# Altium PCB PCB (aXe-TP430s in Konflikt stehende Kopie 2017-02-18).PcbDoc (part 2 of 2)
Units mil, origin at the board's own origin, x right, y up, seen from the top; angles counter-clockwise.
Board outline 4576.96 x 3710.82 mil, 4 copper layers (GTL, GL2, GL3, GBL), stack 60.753 mil thick; 165 components, 125 nets, 609 pads, 203 vias.
Unrouted connection lines stored in the file: 36.
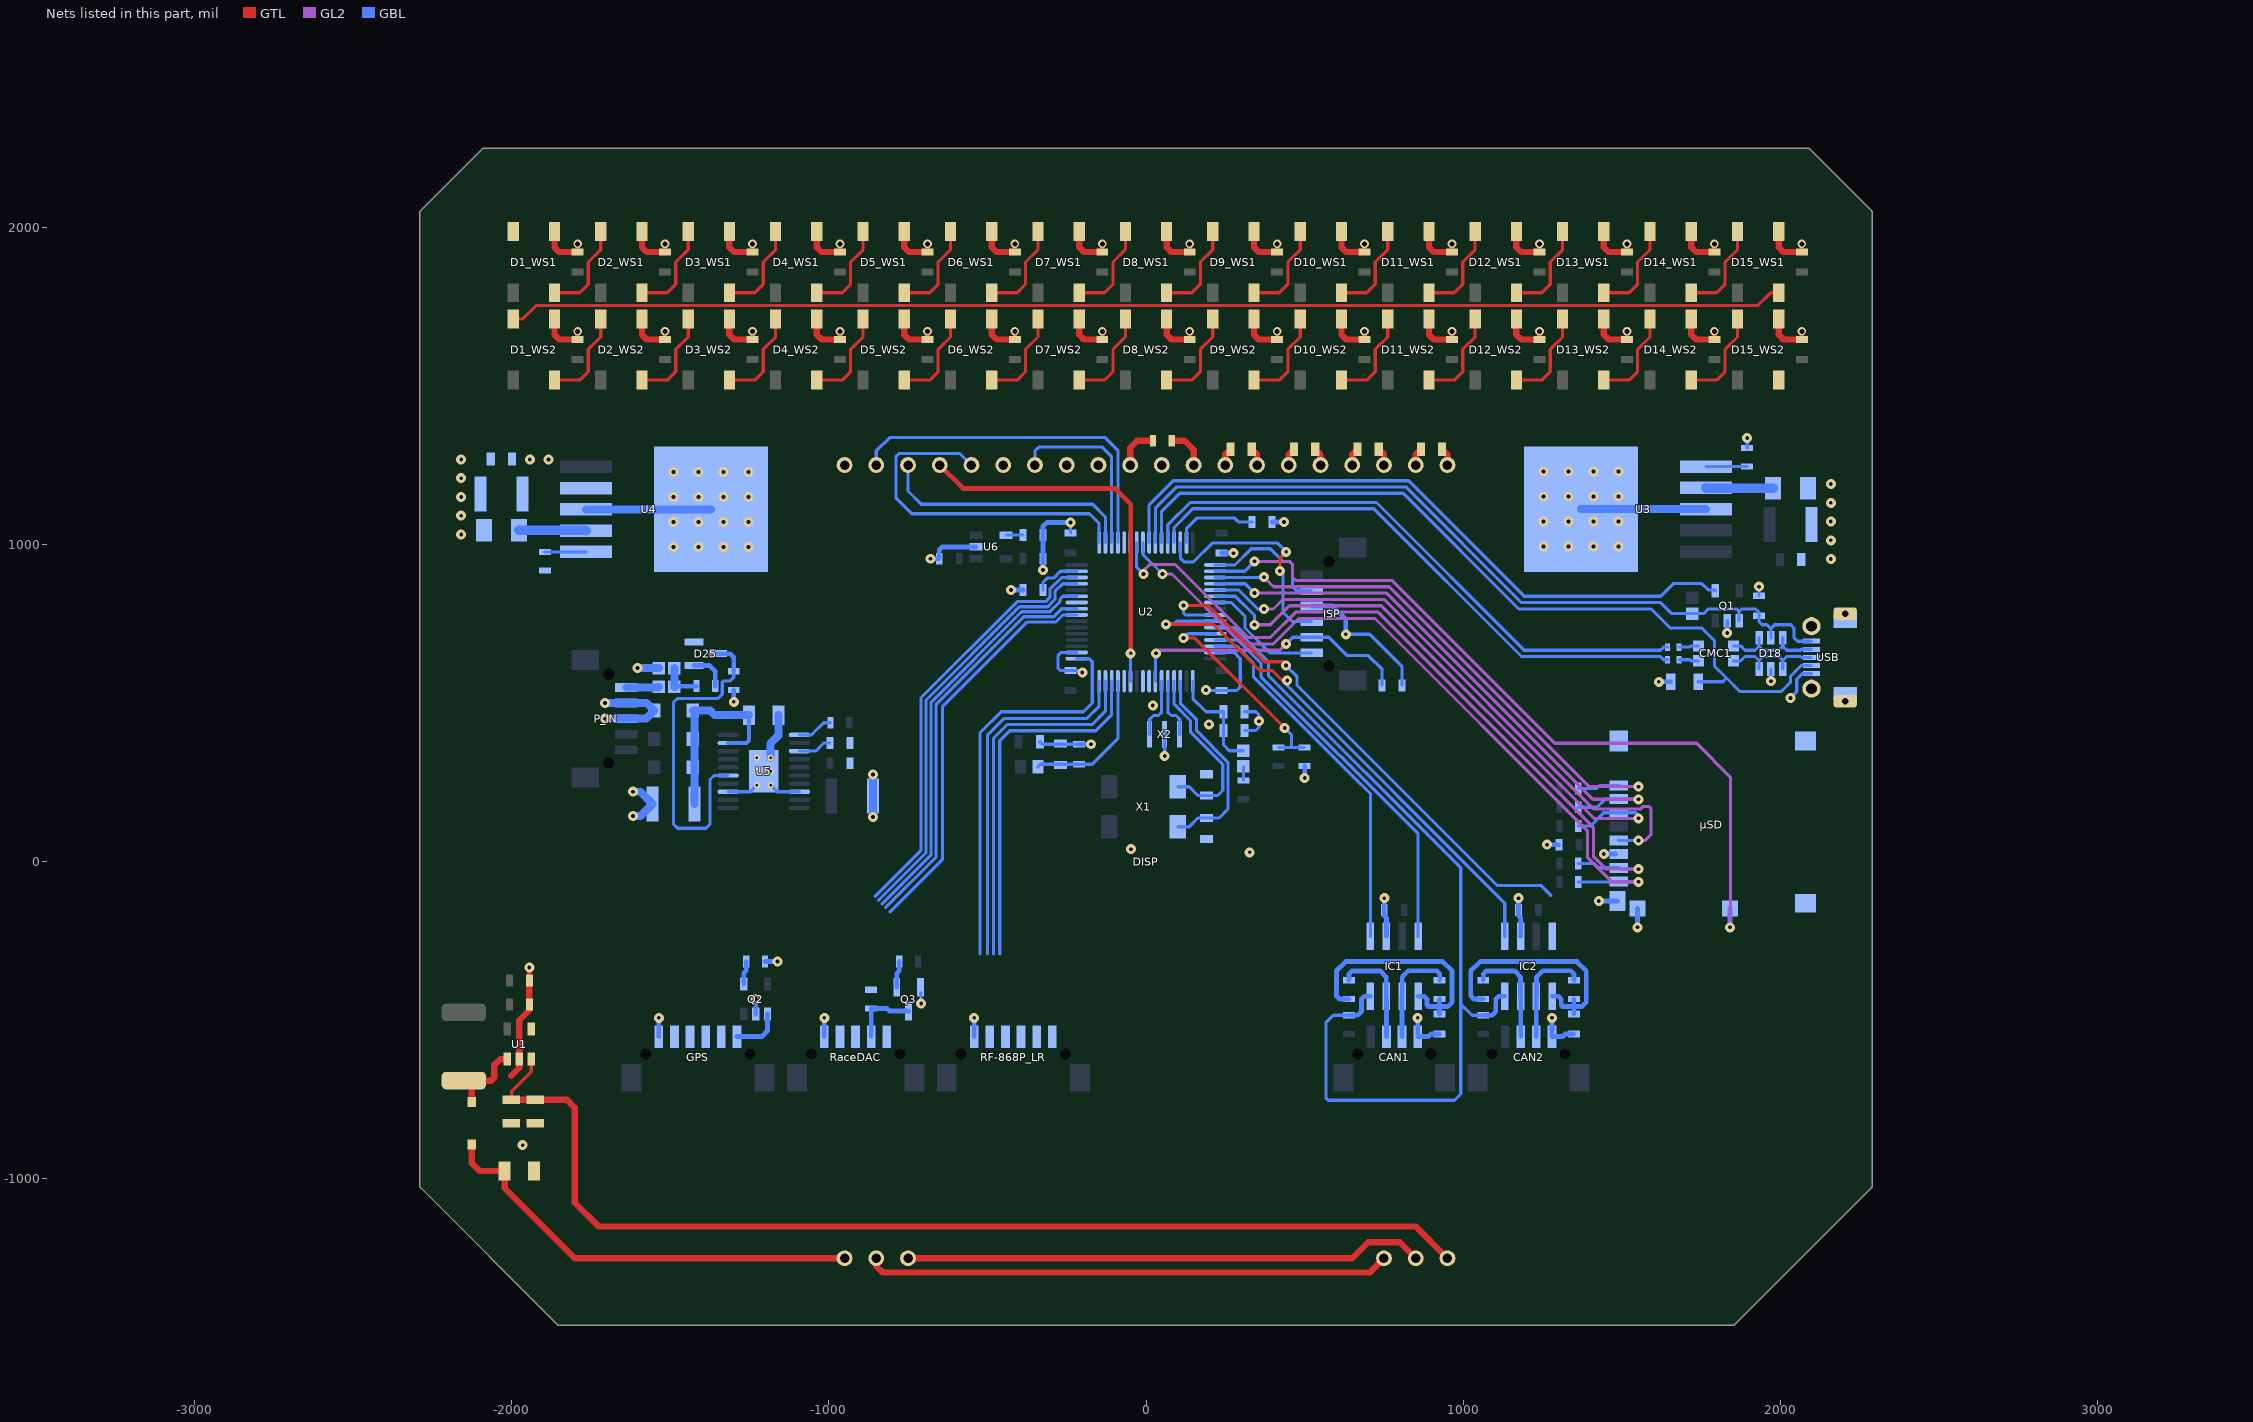
[diagram p4: the nets of this part, all layers, seen from the top]

## Via types
v1: diameter 31.5, hole 11.81, GTL to GBL, 137 vias
v2: diameter 27.56, hole 15.75, GTL to GBL, 60 vias
v3: diameter 19.68, hole 7.87, GTL to GBL, 6 vias

## Nets (pads, with @x,y where several pads share a name; then routed paths per layer and width w, separated by ;. In a path a pad name is that pad's centre, name@x,y a point inside that pad or via, vN(x,y) a via of type N, cw(c..) or ccw(c..) an arc to the next point about the centre after c; other vN are vias at no path point) (continued)
12V_PROT: C40.1 C41.1 C51.1 C52.2 D20.1 D21.1 D23.1 RaceDAC.1 U3.2 U4.2 U5.19 | length 1052.6
  GBL w13: U5.19@-1316.93,374.02 -1258.86,374.02 -1250.98,381.89 C52.2@-1250.98,461.61
  GBL w25: C51.1@-1423.23,182.09 -1423.23,471.46 D23.1@-1428.15,476.38 -1374.02,476.38 -1359.25,461.61 C52.2@-1250.98,461.61
  GBL w30: C41.1@-1976.38,1044.29 -1765.75,1044.29 U4.2@-1764.76,1043.31 ; U3.2@1764.76,1178.15 1765.75,1177.17 C40.1@1976.38,1177.17
CAN1_RX: IC1.4 U2.61 | length 1240.2
  GBL w10: U2.61@218.5,698.82 289.37,698.82 362.2,625.98 362.2,582.68 857.48,87.4 IC1.4@857.48,-235.24
CAN1_TX: IC1.1 U2.62 | length 1156.1
  GBL w10: U2.62@218.5,679.13 285.43,679.13 338.58,625.98 338.58,582.68 653.54,267.72 707.48,213.78 IC1.1@707.48,-235.24
CAN2_RX: IC2.4 U2.57 | length 1680.7
  GTL w10: v1(118.11,807.09) 196.85,807.09 374.02,629.92 433.07,629.92 440.94,622.05 v1(440.94,618.11)
  GBL w10: v1(118.11,807.09) 118.11,783.46 124.02,777.56 U2.57@218.5,777.56 ; v1(440.94,618.11) 476.38,582.68 476.38,555.12 1106.3,-74.8 1244.09,-74.8 1275.59,-106.3
CAN2_TX: IC2.1 U2.58 | length 1705
  GTL w10: v1(62.99,748.03) 212.6,748.03 358.27,602.36 397.64,602.36 429.13,570.87 v1(444.88,570.87)
  GBL w10: v1(62.99,748.03) 86.61,748.03 96.46,757.87 U2.58@218.5,757.87 ; v1(444.88,570.87) 444.88,555.12 1130.71,-130.71 IC2.1@1130.71,-235.24
CAN_E\N\: IC1.8 IC2.8 R21.1 R22.1 U2.59 | length 2897.8
  GBL w10: U2.59@218.5,738.19 277.56,738.19 385.83,629.92 385.83,586.61 992.13,-19.69 992.13,-448.82 ; R21.1@639.76,-484.25 590.55,-484.25 566.93,-507.87 566.93,-744.09 574.8,-751.97 972.44,-751.97 992.13,-732.28 992.13,-448.82 ; R22.1@1062.99,-484.25 1027.56,-484.25 992.13,-448.82
  GBL w15: R21.1@639.76,-484.25 667.32,-484.25 679.13,-472.44 679.13,-433.07 687.99,-424.21 IC1.8@707.48,-424.21 ; R22.1@1062.99,-484.25 1090.55,-484.25 1102.36,-472.44 1102.36,-433.07 1111.22,-424.21 IC2.8@1130.71,-424.21
DOG_VDD: DISP.30 DISP.35
DOG_VSS: DISP.31 DISP.32 DISP.33 DISP.40 R1.2 | length 136
  GTL w20: DISP.31@-50,1250 -50,1304.65 -28.15,1326.5 R1.2@22.32,1326.5
ENABLE_MAIN: D25.3 R27.2 U5.15 | length 1076.5
  GBL w10: U5.15@-1316.93,271.65 -1361.22,271.65 -1374.02,258.86 -1374.02,118.11 -1386.81,105.32 -1476.38,105.32 -1489.17,118.11 -1489.17,501.97 -1476.38,514.76 -1348.43,514.76 -1335.63,527.56 -1335.63,565.94 -1331.69,569.88 -1310.04,569.88 -1299.21,580.71 R27.2@-1299.21,600.39
  GBL w15: D25.3@-1349.41,655.51 -1310.04,655.51 -1299.21,644.68 R27.2@-1299.21,600.39
GND: C1_WS1.1 C1_WS2.1 C2_WS1.1 C2_WS2.1 C3_WS1.1 C3_WS2.1 C4_WS1.1 C4_WS2.1 C5_WS1.1 C5_WS2.1 C6_WS1.1 C6_WS2.1 C7_WS1.1 C7_WS2.1 C8_WS1.1 C8_WS2.1 C9_WS1.1 C9_WS2.1 C10_WS1.1 C10_WS2.1 C11_WS1.1 C11_WS2.1 C12_WS1.1 C12_WS2.1 C13_WS1.1 C13_WS2.1 C14_WS1.1 C14_WS2.1 C15_WS1.1 C15_WS2.1 C16.1 C17.2 C18.2 C23.1 C24.2 C25.2 C26.2 C27.2 C28.2 C29.2 C30.2 C31.2 C32.2 C33.2 C34.2 C35.2 C36.2 C37.1 C38.2 C40.2 C41.2 C42.2 C43.2 C44.2 C45.2 C46.1 C47.1 C48.2 C49.2 C51.2 C52.1 C53.1 C54.2 C55.1 C56.1 C57.2 C58.1 CAN1.1 CAN2.1 D1_WS1.3 D1_WS2.3 D2_WS1.3 D2_WS2.3 D3_WS1.3 D3_WS2.3 D4_WS1.3 D4_WS2.3 D5_WS1.3 D5_WS2.3 D6_WS1.3 D6_WS2.3 D7_WS1.3 D7_WS2.3 D8_WS1.3 D8_WS2.3 D9_WS1.3 D9_WS2.3 D10_WS1.3 D10_WS2.3 D11_WS1.3 D11_WS2.3 D12_WS1.3 D12_WS2.3 D13_WS1.3 D13_WS2.3 D14_WS1.3 D14_WS2.3 D15_WS1.3 D15_WS2.3 D18.2 D23.2 D24.1 GPS.6 IC1.2 IC2.2 ISP.3 P_IN.3 P_IN.4 Q1.2 Q2.2 Q3.2 R2.1 R3.1 R4.1 R7.2 R15.1 R16.1 R23.2 R27.1 RaceDAC.5 RF-868P_LR.6 U1.2 U2.12 U2.18 U2.63 U3.3 U3.6 U4.3 U4.6 U5.8 U5.13 U5.21 U6.2 USB.5 USB.6 X2.2 µSD.6 µSD.9 µSD.11 | length 10039.6
  GTL w15: C18.2@-1943.5,-375 v1(-1943.5,-333.27) ; C1_WS2.1@-1791.34,1645.67 v2(-1791.34,1671.57) ; C1_WS1.1@-1791.34,1921.26 v2(-1791.34,1947.17) ; C2_WS2.1@-1515.75,1645.67 v2(-1515.75,1671.57) ; C2_WS1.1@-1515.75,1921.26 v2(-1515.75,1947.17) ; C3_WS2.1@-1240.16,1645.67 v2(-1240.16,1671.57) ; C3_WS1.1@-1240.16,1921.26 v2(-1240.16,1947.17) ; C4_WS2.1@-964.57,1645.67 v2(-964.57,1671.57) ; C4_WS1.1@-964.57,1921.26 v2(-964.57,1947.17) ; C5_WS2.1@-688.98,1645.67 v2(-688.98,1671.57) ; C5_WS1.1@-688.98,1921.26 v2(-688.98,1947.17) ; C6_WS2.1@-413.39,1645.67 v2(-413.39,1671.57) ; C6_WS1.1@-413.39,1921.26 v2(-413.39,1947.17) ; C7_WS2.1@-137.8,1645.67 v2(-137.8,1671.57) ; C7_WS1.1@-137.8,1921.26 v2(-137.8,1947.17) ; C8_WS2.1@137.8,1645.67 v2(137.8,1671.57) ; C8_WS1.1@137.8,1921.26 v2(137.8,1947.17) ; C9_WS2.1@413.39,1645.67 v2(413.39,1671.57) ; C9_WS1.1@413.39,1921.26 v2(413.39,1947.17) ; C10_WS2.1@688.98,1645.67 v2(688.98,1671.57) ; C10_WS1.1@688.98,1921.26 v2(688.98,1947.17) ; C11_WS2.1@964.57,1645.67 v2(964.57,1671.57) ; C11_WS1.1@964.57,1921.26 v2(964.57,1947.17) ; C12_WS2.1@1240.16,1645.67 v2(1240.16,1671.57) ; C12_WS1.1@1240.16,1921.26 v2(1240.16,1947.17) ; C13_WS2.1@1515.75,1645.67 v2(1515.75,1671.57) ; C13_WS1.1@1515.75,1921.26 v2(1515.75,1947.17) ; C14_WS2.1@1791.34,1645.67 v2(1791.34,1671.57) ; C14_WS1.1@1791.34,1921.26 v2(1791.34,1947.17) ; C15_WS2.1@2066.93,1645.67 v2(2066.93,1671.57) ; C15_WS1.1@2066.93,1921.26 v2(2066.93,1947.17)
  GTL w20: -2000,-675 -1975,-650 U1.2@-1975,-622.24 -1975,-500 -1943.5,-468.5 C17.2@-1943.5,-450 C18.2@-1943.5,-375 ; D1_WS2.3@-1864.17,1710.63 -1864.17,1660.94 -1848.9,1645.67 C1_WS2.1@-1791.34,1645.67 ; D1_WS1.3@-1864.17,1986.22 -1864.17,1936.54 -1848.9,1921.26 C1_WS1.1@-1791.34,1921.26 ; D2_WS2.3@-1588.58,1710.63 -1588.58,1660.94 -1573.31,1645.67 C2_WS2.1@-1515.75,1645.67 ; D2_WS1.3@-1588.58,1986.22 -1588.58,1936.54 -1573.31,1921.26 C2_WS1.1@-1515.75,1921.26 ; D3_WS2.3@-1312.99,1710.63 -1312.99,1660.94 -1297.72,1645.67 C3_WS2.1@-1240.16,1645.67 ; D3_WS1.3@-1312.99,1986.22 -1312.99,1936.54 -1297.72,1921.26 C3_WS1.1@-1240.16,1921.26 ; D4_WS2.3@-1037.4,1710.63 -1037.4,1660.94 -1022.13,1645.67 C4_WS2.1@-964.57,1645.67 ; D4_WS1.3@-1037.4,1986.22 -1037.4,1936.54 -1022.13,1921.26 C4_WS1.1@-964.57,1921.26 ; D5_WS2.3@-761.81,1710.63 -761.81,1660.94 -746.54,1645.67 C5_WS2.1@-688.98,1645.67 ; D5_WS1.3@-761.81,1986.22 -761.81,1936.54 -746.54,1921.26 C5_WS1.1@-688.98,1921.26 ; D6_WS2.3@-486.22,1710.63 -486.22,1660.94 -470.94,1645.67 C6_WS2.1@-413.39,1645.67 ; D6_WS1.3@-486.22,1986.22 -486.22,1936.54 -470.94,1921.26 C6_WS1.1@-413.39,1921.26 ; D7_WS2.3@-210.63,1710.63 -210.63,1660.94 -195.35,1645.67 C7_WS2.1@-137.8,1645.67 ; D7_WS1.3@-210.63,1986.22 -210.63,1936.54 -195.35,1921.26 C7_WS1.1@-137.8,1921.26 ; D8_WS2.3@64.96,1710.63 64.96,1660.94 80.24,1645.67 C8_WS2.1@137.8,1645.67 ; D8_WS1.3@64.96,1986.22 64.96,1936.54 80.24,1921.26 C8_WS1.1@137.8,1921.26 ; D9_WS2.3@340.55,1710.63 340.55,1660.94 355.83,1645.67 C9_WS2.1@413.39,1645.67 ; D9_WS1.3@340.55,1986.22 340.55,1936.54 355.83,1921.26 C9_WS1.1@413.39,1921.26 ; D10_WS2.3@616.14,1710.63 616.14,1660.94 631.42,1645.67 C10_WS2.1@688.98,1645.67 ; D10_WS1.3@616.14,1986.22 616.14,1936.54 631.42,1921.26 C10_WS1.1@688.98,1921.26 ; D11_WS2.3@891.73,1710.63 891.73,1660.94 907.01,1645.67 C11_WS2.1@964.57,1645.67 ; D11_WS1.3@891.73,1986.22 891.73,1936.54 907.01,1921.26 C11_WS1.1@964.57,1921.26 ; D12_WS2.3@1167.32,1710.63 1167.32,1660.94 1182.6,1645.67 C12_WS2.1@1240.16,1645.67 ; D12_WS1.3@1167.32,1986.22 1167.32,1936.54 1182.6,1921.26 C12_WS1.1@1240.16,1921.26 ; D13_WS2.3@1442.91,1710.63 1442.91,1660.94 1458.19,1645.67 C13_WS2.1@1515.75,1645.67 ; D13_WS1.3@1442.91,1986.22 1442.91,1936.54 1458.19,1921.26 C13_WS1.1@1515.75,1921.26 ; D14_WS2.3@1718.5,1710.63 1718.5,1660.94 1733.78,1645.67 C14_WS2.1@1791.34,1645.67 ; D14_WS1.3@1718.5,1986.22 1718.5,1936.54 1733.78,1921.26 C14_WS1.1@1791.34,1921.26 ; D15_WS2.3@1994.09,1710.63 1994.09,1660.94 2009.37,1645.67 C15_WS2.1@2066.93,1645.67 ; D15_WS1.3@1994.09,1986.22 1994.09,1936.54 2009.37,1921.26 C15_WS1.1@2066.93,1921.26
  GBL w10: U5.13@-1316.93,220.47 -1247.05,220.47 v3(-1226.38,241.14) ; v3(-1183.07,241.14) -1162.4,220.47 U5.8@-1092.52,220.47 ; v1(-708.66,-446.85) Q3.2@-708.66,-413.39 ; C28.2@-334.65,377.95 -326.77,370.08 C31.2@-210.63,370.08 ; C35.2@-238.19,1035.43 v1(-238.19,1068.9) ; U2.18@-218.5,659.45 -267.72,659.45 -277.56,649.61 -277.56,610.24 -269.68,602.36 C33.2@-238.19,602.36 -206.69,602.36 v1(-200.79,596.46) ; v1(59.06,332.68) X2.2@59.06,401.57 ; v1(188.98,541.34) 190.94,539.37 C34.2@238.19,539.37 285.43,539.37 297.24,551.18 297.24,639.76 277.56,659.45 U2.63@218.5,659.45 ; C30.2@311.02,413.39 346.46,413.39 356.3,423.23 v1(356.3,442.91) 356.3,462.6 346.46,472.44 C32.2@311.02,472.44 ; v1(629.92,716.54) 704.72,716.54 807.09,614.17 C27.2@807.09,555.12 ; v1(1831.85,720.83) Q1.2@1831.85,759.25 ; R15.1@1894.68,1304.13 v1(1894.68,1335.63) ; C37.1@1931.85,837.99 v1(1931.85,866.5) ; v1(1969.49,568.86) D18.2@1969.49,607.28 ; v1(2031.5,516.14) 2051.18,535.83 2051.18,575.2 2068.5,592.52 USB.5@2097.44,592.52
  GBL w15: GPS.6@-1535.43,-551.18 v1(-1535.43,-492.13) ; v1(-1299.21,503.94) R27.1@-1299.21,541.34 ; Q2.2@-1230.31,-480.32 v1(-1230.31,-433.07) ; R23.2@-1200.79,-314.96 v1(-1161.42,-314.96) ; RaceDAC.5@-1013.78,-551.18 v1(-1013.78,-492.13) ; v1(-679.13,954.72) C58.1@-651.57,954.72 -651.57,982.28 -641.73,992.13 U6.2@-535.43,992.13 ; RF-868P_LR.6@-541.34,-551.18 v1(-541.34,-492.13) ; v1(-425.2,856.3) C26.2@-387.8,856.3 ; v1(-324.8,919.29) C56.1@-324.8,954.72 C57.2@-324.8,1029.53 -324.8,1057.09 -312.99,1068.9 v1(-238.19,1068.9) ; C31.2@-210.63,370.08 v1(-173.23,370.08) ; C36.2@238.19,972.44 v1(275.59,972.44) ; C25.2@397.64,1070.87 v1(435.04,1070.87) ; v1(500,263.78) R4.1@500,301.18 ; ISP.3@521.85,805.71 587.99,805.71 629.92,763.78 v1(629.92,716.54) ; v1(750.98,-115.16) C46.1@750.98,-152.56 750.98,-170.28 757.87,-177.17 757.87,-234.84 IC1.2@757.48,-235.24 ; v1(856.3,-492.13) CAN1.1@856.3,-551.18 889.76,-551.18 897.64,-543.31 C48.2@925.2,-543.31 ; v1(1174.21,-115.16) 1174.21,-170.28 1181.1,-177.17 1181.1,-234.84 IC2.2@1180.71,-235.24 ; v1(1263.78,53.54) C38.2@1301.18,53.54 ; v1(1279.53,-492.13) CAN2.1@1279.53,-551.18 1312.99,-551.18 1320.87,-543.31 C49.2@1348.43,-543.31 ; v1(1427.17,-123.62) µSD.11@1486.22,-123.62 ; v1(1442.91,24.02) µSD.6@1480.32,24.02 ; v1(1549.21,-206.69) µSD.9@1549.21,-147.64 ; v1(1616.14,566.93) R7.2@1653.54,566.93
  GBL w25: U4.3@-1764.76,1110.24 U4.6@-1371.06,1110.24 ; v1(-1704.72,450.79) P_IN.3@-1637.8,450.79 -1575.79,450.79 D23.2@-1550.2,476.38 -1573.82,500 P_IN.4@-1637.8,500 v1(-1704.72,500) ; v1(-1617.13,143.7) -1593.5,143.7 C51.2@-1555.12,182.09 -1593.5,220.47 v1(-1617.13,220.47) ; v1(-1602.36,610.24) D24.1@-1535.43,610.24 ; v3(-1183.07,327.76) -1183.07,373.03 -1158.46,397.64 C52.1@-1158.46,461.61 ; v1(-860.24,140.75) C54.2@-860.24,207.68 v1(-860.24,274.61) ; U3.6@1371.06,1111.22 U3.3@1764.76,1111.22
  other v1: -1964.57,-893.7 326.77,29.53 -47.24,39.37 198.82,433.07 21.65,492.13 2158.46,953.74 -1489.17,992.13 -1410.43,992.13 -1331.69,992.13 -1252.95,992.13 1252.95,993.11 1331.69,993.11 1410.43,993.11 1489.17,993.11 2158.46,1012.8 -2158.46,1031.5 -1489.17,1070.87 -1410.43,1070.87 -1331.69,1070.87 -1252.95,1070.87 1252.95,1071.85 1331.69,1071.85 1410.43,1071.85 1489.17,1071.85 2158.46,1071.85 -2158.46,1090.55 2158.46,1130.91 -2158.46,1149.61 -1489.17,1149.61 -1410.43,1149.61 -1331.69,1149.61 -1252.95,1149.61 1252.95,1150.59 1331.69,1150.59 1410.43,1150.59 1489.17,1150.59 2158.46,1189.96 -2158.46,1208.66 -1489.17,1228.35 -1410.43,1228.35 -1331.69,1228.35 -1252.95,1228.35 1252.95,1229.33 1331.69,1229.33 1410.43,1229.33 1489.17,1229.33 -2158.46,1267.72
  other v3: -1226.38,284.45 -1183.07,284.45 -1226.38,327.76
GPS_CANRX: GPS.5
GPS_CANTX: GPS.4
GPS_RX: GPS.3 U2.37
GPS_TX: GPS.2 U2.38
GPS_VCC: GPS.1 Q2.1 | length 156.9
  GBL w15: GPS.1@-1289.37,-551.18 -1210.63,-551.18 -1192.91,-533.46 Q2.1@-1192.91,-480.32
KL15: D22.1 P_IN.5 | length 103.2
  GBL w25: P_IN.5@-1637.8,549.21 -1537.4,549.21 D22.1@-1535.43,551.18
KL15_PROT: D25.1 R24.1 R26.2 | length 121.5
  GBL w15: D25.1@-1424.21,618.11 -1375,618.11 -1357.28,600.39 R26.2@-1357.28,553.15
NetC16_2: C16.2 D16.1 DISP.1 | length 1388.8
  GTL w20: D16.1@-2125,-891.93 -2125,-950 -2100,-975 C16.2@-2021.26,-975 -2021.26,-1028.74 -1800,-1250 DISP.1@-950,-1250
NetC19_1: C19.1 DISP.22 | length 56.8
  GTL w20: DISP.22@850,1250 850,1283.46 C19.1@866.54,1300
NetC19_2: C19.2 DISP.21 | length 56.8
  GTL w20: C19.2@933.46,1300 950,1283.46 DISP.21@950,1250
NetC20_1: C20.1 DISP.24 | length 56.8
  GTL w20: DISP.24@650,1250 650,1283.46 C20.1@666.54,1300
NetC20_2: C20.2 DISP.23 | length 56.8
  GTL w20: C20.2@733.46,1300 750,1283.46 DISP.23@750,1250
NetC21_1: C21.1 DISP.26 | length 56.8
  GTL w20: DISP.26@450,1250 450,1283.46 C21.1@466.54,1300
NetC21_2: C21.2 DISP.25 | length 56.8
  GTL w20: C21.2@533.46,1300 550,1283.46 DISP.25@550,1250
NetC22_1: C22.1 DISP.28 | length 56.8
  GTL w20: DISP.28@250,1250 250,1283.46 C22.1@266.54,1300
NetC22_2: C22.2 DISP.27 | length 56.8
  GTL w20: C22.2@333.46,1300 350,1283.46 DISP.27@350,1250
NetC23_2: C23.2 U2.3 X1.1 | length 646
  GBL w10: X1.1@100.39,110.24 135.83,110.24 163.39,137.8 C23.2@190.95,137.8 230.32,137.8 258.13,165.61 258.13,313.71 159.45,412.39 159.45,447.82 108.27,499.01 U2.3@108.27,568.9
NetC24_1: C24.1 U2.4 X1.4 | length 567.8
  GBL w10: U2.4@88.58,568.9 88.58,496.06 139.76,444.88 139.76,409.45 242.13,307.09 242.13,224.41 226.38,208.66 C24.1@190.95,208.66 163.39,208.66 135.83,236.22 X1.4@100.39,236.22
NetC25_1: C25.1 U2.47 | length 269.9
  GBL w10: U2.47@127.95,1005.91 127.95,1051.18 159.45,1082.68 279.53,1082.68 291.34,1070.87 C25.1@334.65,1070.87
NetC26_1: C26.1 U2.31 | length 144.6
  GBL w10: C26.1@-324.8,856.3 -324.8,879.92 -311.02,893.7 -291.34,893.7 -269.68,915.35 U2.31@-218.5,915.35
NetC29_1: C29.1 C31.1 L2.2 U2.13 | length 469.8
  GBL w10: L2.2@-340.55,299.21 -332.68,307.09 C31.1@-210.63,307.09 -169.29,307.09 -88.58,387.8 U2.13@-88.58,568.9
NetC30_1: C30.1 C32.1 D17.2 U2.1 | length 343.8
  GBL w10: U2.1@147.64,568.9 147.64,513.78 188.98,472.44 C32.1@244.09,472.44 C30.1@244.09,413.39 244.09,368.11 262.8,349.41 D17.2@307.09,349.41
NetC48_1: C48.1 IC1.5 R17.2 R19.2 | length 794.3
  GBL w15: R19.2@639.76,-433.07 610.24,-433.07 600.39,-423.23 600.39,-344.49 629.92,-314.96 935.04,-314.96 964.57,-344.49 964.57,-442.91 950.79,-456.69 925.2,-456.69 ; IC1.5@857.48,-424.21 876.97,-424.21 885.83,-433.07 885.83,-452.76 889.76,-456.69 925.2,-456.69 ; C48.1@925.2,-480.31 925.2,-456.69 ; R17.2@925.2,-433.07 925.2,-456.69
NetC49_1: C49.1 IC2.5 R18.2 R20.2 | length 794.3
  GBL w15: R20.2@1062.99,-433.07 1033.46,-433.07 1023.62,-423.23 1023.62,-344.49 1053.15,-314.96 1358.27,-314.96 1387.8,-344.49 1387.8,-442.91 1374.02,-456.69 1348.43,-456.69 ; IC2.5@1280.71,-424.21 1300.2,-424.21 1309.06,-433.07 1309.06,-452.76 1312.99,-456.69 1348.43,-456.69 ; C49.1@1348.43,-480.31 1348.43,-456.69 ; R18.2@1348.43,-433.07 1348.43,-456.69
NetC53_2: C53.2 U5.3 | length 107.1
  GBL w10: U5.3@-1092.52,348.43 -1041.34,348.43 -1015.75,374.02 C53.2@-996.06,374.02
NetC57_1: C57.1 U6.4 | length 53.1
  GBL w10: U6.4@-440.94,1029.53 C57.1@-387.8,1029.53
NetCAN1_2: CAN1.2 IC1.6 R17.1 | length 337.6
  GBL w15: CAN1.2@807.09,-551.18 807.09,-424.61 IC1.6@807.48,-424.21 807.87,-423.82 807.87,-363.39 827.17,-344.09 915.75,-344.09 925.59,-353.94 R17.1@925.59,-373.62
NetCAN1_3: CAN1.3 IC1.7 R19.1 | length 337
  GBL w15: R19.1@639.76,-374.02 639.76,-354.33 649.61,-344.49 738.19,-344.49 757.48,-363.78 IC1.7@757.48,-424.21 757.87,-424.61 CAN1.3@757.87,-551.18
NetCAN2_2: CAN2.2 IC2.6 R18.1 | length 337
  GBL w15: CAN2.2@1230.32,-551.18 1230.32,-424.61 IC2.6@1230.71,-424.21 ; IC2.6@1231.1,-423.82 1231.1,-363.39 1250.39,-344.09 1338.98,-344.09 1348.82,-353.94 R18.1@1348.82,-373.62
NetCAN2_3: CAN2.3 IC2.7 R20.1 | length 337
  GBL w15: R20.1@1062.99,-374.02 1062.99,-354.33 1072.83,-344.49 1161.42,-344.49 1180.71,-363.78 IC2.7@1180.71,-424.21 1181.1,-424.61 CAN2.3@1181.1,-551.18
NetD1_WS1_2: D1_WS1.2 D2_WS1.4 | length 300
  GTL w10: D1_WS1.2@-1864.17,1793.31 -1784.33,1793.31 -1757.64,1820 -1757.64,1890 -1718.5,1929.13 D2_WS1.4@-1718.5,1986.22
NetD1_WS1_4: D1_WS1.4 U2.26
NetD1_WS2_2: D1_WS2.2 D2_WS2.4 | length 300
  GTL w10: D1_WS2.2@-1864.17,1517.72 -1784.33,1517.72 -1757.64,1544.41 -1757.64,1614.41 -1718.5,1653.54 D2_WS2.4@-1718.5,1710.63
NetD1_WS2_4: D1_WS2.4 D15_WS1.2 | length 4022.4
  GTL w10: D1_WS2.4@-1994.09,1710.63 -1964.02,1710.63 -1921.87,1752.78 1928.13,1752.78 1968.66,1793.31 D15_WS1.2@1994.09,1793.31
NetD2_WS1_2: D2_WS1.2 D3_WS1.4 | length 300
  GTL w10: D2_WS1.2@-1588.58,1793.31 -1508.74,1793.31 -1482.05,1820 -1482.05,1890 -1442.91,1929.13 D3_WS1.4@-1442.91,1986.22
NetD2_WS2_2: D2_WS2.2 D3_WS2.4 | length 300
  GTL w10: D2_WS2.2@-1588.58,1517.72 -1508.74,1517.72 -1482.05,1544.41 -1482.05,1614.41 -1442.91,1653.54 D3_WS2.4@-1442.91,1710.63
NetD3_WS1_2: D3_WS1.2 D4_WS1.4 | length 300
  GTL w10: D3_WS1.2@-1312.99,1793.31 -1233.15,1793.31 -1206.46,1820 -1206.46,1890 -1167.32,1929.13 D4_WS1.4@-1167.32,1986.22
NetD3_WS2_2: D3_WS2.2 D4_WS2.4 | length 300
  GTL w10: D3_WS2.2@-1312.99,1517.72 -1233.15,1517.72 -1206.46,1544.41 -1206.46,1614.41 -1167.32,1653.54 D4_WS2.4@-1167.32,1710.63
NetD4_WS1_2: D4_WS1.2 D5_WS1.4 | length 300
  GTL w10: D4_WS1.2@-1037.4,1793.31 -957.56,1793.31 -930.87,1820 -930.87,1890 -891.73,1929.13 D5_WS1.4@-891.73,1986.22
NetD4_WS2_2: D4_WS2.2 D5_WS2.4 | length 300
  GTL w10: D4_WS2.2@-1037.4,1517.72 -957.56,1517.72 -930.87,1544.41 -930.87,1614.41 -891.73,1653.54 D5_WS2.4@-891.73,1710.63
NetD5_WS1_2: D5_WS1.2 D6_WS1.4 | length 300
  GTL w10: D5_WS1.2@-761.81,1793.31 -681.97,1793.31 -655.28,1820 -655.28,1890 -616.14,1929.13 D6_WS1.4@-616.14,1986.22
NetD5_WS2_2: D5_WS2.2 D6_WS2.4 | length 300
  GTL w10: D5_WS2.2@-761.81,1517.72 -681.97,1517.72 -655.28,1544.41 -655.28,1614.41 -616.14,1653.54 D6_WS2.4@-616.14,1710.63
NetD6_WS1_2: D6_WS1.2 D7_WS1.4 | length 300
  GTL w10: D6_WS1.2@-486.22,1793.31 -406.38,1793.31 -379.68,1820 -379.68,1890 -340.55,1929.13 D7_WS1.4@-340.55,1986.22
NetD6_WS2_2: D6_WS2.2 D7_WS2.4 | length 300
  GTL w10: D6_WS2.2@-486.22,1517.72 -406.38,1517.72 -379.68,1544.41 -379.68,1614.41 -340.55,1653.54 D7_WS2.4@-340.55,1710.63
NetD7_WS1_2: D7_WS1.2 D8_WS1.4 | length 300
  GTL w10: D7_WS1.2@-210.63,1793.31 -130.79,1793.31 -104.09,1820 -104.09,1890 -64.96,1929.13 D8_WS1.4@-64.96,1986.22
NetD7_WS2_2: D7_WS2.2 D8_WS2.4 | length 300
  GTL w10: D7_WS2.2@-210.63,1517.72 -130.79,1517.72 -104.09,1544.41 -104.09,1614.41 -64.96,1653.54 D8_WS2.4@-64.96,1710.63
NetD8_WS1_2: D8_WS1.2 D9_WS1.4 | length 300
  GTL w10: D8_WS1.2@64.96,1793.31 144.8,1793.31 171.5,1820 171.5,1890 210.63,1929.13 D9_WS1.4@210.63,1986.22
NetD8_WS2_2: D8_WS2.2 D9_WS2.4 | length 300
  GTL w10: D8_WS2.2@64.96,1517.72 144.8,1517.72 171.5,1544.41 171.5,1614.41 210.63,1653.54 D9_WS2.4@210.63,1710.63
NetD9_WS1_2: D9_WS1.2 D10_WS1.4 | length 300
  GTL w10: D9_WS1.2@340.55,1793.31 420.39,1793.31 447.09,1820 447.09,1890 486.22,1929.13 D10_WS1.4@486.22,1986.22
NetD9_WS2_2: D9_WS2.2 D10_WS2.4 | length 300
  GTL w10: D9_WS2.2@340.55,1517.72 420.39,1517.72 447.09,1544.41 447.09,1614.41 486.22,1653.54 D10_WS2.4@486.22,1710.63
NetD10_WS1_2: D10_WS1.2 D11_WS1.4 | length 300
  GTL w10: D10_WS1.2@616.14,1793.31 695.98,1793.31 722.68,1820 722.68,1890 761.81,1929.13 D11_WS1.4@761.81,1986.22
NetD10_WS2_2: D10_WS2.2 D11_WS2.4 | length 300
  GTL w10: D10_WS2.2@616.14,1517.72 695.98,1517.72 722.68,1544.41 722.68,1614.41 761.81,1653.54 D11_WS2.4@761.81,1710.63
NetD11_WS1_2: D11_WS1.2 D12_WS1.4 | length 300
  GTL w10: D11_WS1.2@891.73,1793.31 971.58,1793.31 998.27,1820 998.27,1890 1037.4,1929.13 D12_WS1.4@1037.4,1986.22
NetD11_WS2_2: D11_WS2.2 D12_WS2.4 | length 300
  GTL w10: D11_WS2.2@891.73,1517.72 971.58,1517.72 998.27,1544.41 998.27,1614.41 1037.4,1653.54 D12_WS2.4@1037.4,1710.63
NetD12_WS1_2: D12_WS1.2 D13_WS1.4 | length 300
  GTL w10: D12_WS1.2@1167.32,1793.31 1247.17,1793.31 1273.86,1820 1273.86,1890 1312.99,1929.13 D13_WS1.4@1312.99,1986.22
NetD12_WS2_2: D12_WS2.2 D13_WS2.4 | length 300
  GTL w10: D12_WS2.2@1167.32,1517.72 1247.17,1517.72 1273.86,1544.41 1273.86,1614.41 1312.99,1653.54 D13_WS2.4@1312.99,1710.63
NetD13_WS1_2: D13_WS1.2 D14_WS1.4 | length 300
  GTL w10: D13_WS1.2@1442.91,1793.31 1522.76,1793.31 1549.45,1820 1549.45,1890 1588.58,1929.13 D14_WS1.4@1588.58,1986.22
NetD13_WS2_2: D13_WS2.2 D14_WS2.4 | length 300
  GTL w10: D13_WS2.2@1442.91,1517.72 1522.76,1517.72 1549.45,1544.41 1549.45,1614.41 1588.58,1653.54 D14_WS2.4@1588.58,1710.63
NetD14_WS1_2: D14_WS1.2 D15_WS1.4 | length 300
  GTL w10: D14_WS1.2@1718.5,1793.31 1798.35,1793.31 1825.04,1820 1825.04,1890 1864.17,1929.13 D15_WS1.4@1864.17,1986.22
NetD14_WS2_2: D14_WS2.2 D15_WS2.4 | length 300
  GTL w10: D14_WS2.2@1718.5,1517.72 1798.35,1517.72 1825.04,1544.41 1825.04,1614.41 1864.17,1653.54 D15_WS2.4@1864.17,1710.63
NetD15_WS2_2: D15_WS2.2
NetD16_2: D16.2 L1.1 U1.1 | length 267.2
  GTL w20: D16.2@-2125,-758.07 -2125,-714.96 L1.1@-2150,-689.96 -2063.98,-689.96 -2054.13,-680.12 -2054.13,-640.75 -2035.63,-622.24 U1.1@-2012.4,-622.24
NetD17_1: D17.1 R6.2 | length 44.3
  GBL w10: R6.2@307.09,255.91 D17.1@307.09,300.2
NetD22_2: D22.2 D24.2 R26.1 | length 129.8
  GBL w15: D22.2@-1486.22,551.18 -1484.25,553.15 R26.1@-1416.34,553.15
  GBL w25: D22.2@-1486.22,551.18 D24.2@-1486.22,610.24
NetD25_2: D25.2
NetDISP_2: DISP.2 DISP.18 | length 1651.9
  GTL w20: DISP.2@-850,-1250 -850,-1275 -830,-1295 705,-1295 DISP.18@750,-1250
NetDISP_3: DISP.3 DISP.19 | length 1641.4
  GTL w20: DISP.3@-750,-1250 650,-1250 700,-1200 800,-1200 DISP.19@850,-1250
NetDISP_20: DISP.20 R2.2 R3.2 U1.3 | length 3486.4
  GTL w10: R3.2@-2000,-750 -2000,-725 -1937.6,-662.6 U1.3@-1937.6,-622.24
  GTL w20: R3.2@-2000,-750 R2.2@-1925,-750 -1825,-750 -1800,-775 -1800,-1075 -1725,-1150 850,-1150 DISP.20@950,-1250
NetDISP_29: DISP.29 R1.1 | length 128.6
  GTL w20: R1.1@81.38,1326.5 121.85,1326.5 150,1298.35 DISP.29@150,1250
NetDISP_37: DISP.37 U2.11 | length 1211
  GTL w15: DISP.37@-650,1250 -576.5,1176.5 -98.15,1176.5 -48.15,1126.5 v1(-48.15,656.5)
  GBL w10: U2.11@-49.21,568.9 -49.21,655.43 v1(-48.15,656.5)
NetQ2_4: Q2.4 R23.1 U2.25 | length 1347.9
  GBL w10: -820.39,-144.18 -661.42,14.8 -661.42,496.06 -385.83,771.65 -291.34,771.65 -265.75,797.24 U2.25@-218.5,797.24
  GBL w15: Q2.4@-1267.72,-385.83 -1267.72,-352.36 -1259.84,-344.49 R23.1@-1259.84,-314.96
NetQ3_1: Q3.1 R25.2 U2.27 | length 1385.1
  GBL w10: -831.7,-132.86 -677.42,21.42 -677.42,502.69 -392.45,787.65 -303.11,787.65 -270.98,819.79 -270.98,827.45 -261.81,836.61 U2.27@-218.5,836.61
  GBL w15: Q3.1@-785.43,-395.67 -785.43,-352.36 -777.56,-344.49 R25.2@-777.56,-314.96
NetQ3_3: Q3.3 R24.2 RaceDAC.2 | length 210
  GBL w15: RaceDAC.2@-866.14,-551.18 R24.2@-866.14,-462.6 -816.93,-462.6 -809.06,-470.47 Q3.3@-748.03,-470.47
NetR4_2: R4.2 R5.1 U2.60 | length 695.1
  GTL w10: v1(118.11,704.72) 153.54,704.72 v1(437.01,421.26)
  GBL w10: v1(118.11,704.72) 131.89,718.5 U2.60@218.5,718.5 ; R5.1@417.32,360.24 458.66,360.24 ; v1(437.01,421.26) 458.66,399.61 458.66,360.24 ; R4.2@500,360.24 458.66,360.24
NetR15_2: R15.2 U2.8 U3.1 | length 129.9
  GBL w10: U3.1@1764.76,1245.08 R15.2@1894.68,1245.08
NetR16_2: R16.2 U2.9 U4.1 | length 129.9
  GBL w10: R16.2@-1894.69,976.38 U4.1@-1764.76,976.38
NetR28_1: R28.1 U5.1 | length 114.3
  GBL w10: U5.1@-1092.52,399.61 -1054.13,399.61 -1015.75,437.99 R28.1@-994.09,437.99
NetRaceDAC_3: RaceDAC.3 U2.30 | length 1349.3
  GBL w10: -854.33,-110.24 -709.42,34.68 -709.42,515.95 -405.71,819.65 -316.37,819.65 -302.98,833.04 -302.98,858.44 -265.75,895.67 U2.30@-218.5,895.67
NetRaceDAC_4: RaceDAC.4 U2.29 | length 1334.5
  GBL w10: -843.02,-121.55 -693.42,28.05 -693.42,509.32 -399.08,803.65 -309.74,803.65 -286.98,826.41 -286.98,851.81 -262.81,875.98 U2.29@-218.5,875.98
NetU1_4: U1.4 U2.24 | length 1257.4
  GBL w10: -806.47,-158.1 -641.73,6.64 -641.73,487.91 -373.99,755.65 -283.72,755.65 -261.81,777.56 U2.24@-218.5,777.56
NetU2_5: U2.5 X2.3 | length 192
  GBL w10: U2.5@68.9,568.9 68.9,470.47 78.74,460.63 94.49,460.63 106.3,448.82 X2.3@106.3,401.57
NetU2_6: U2.6 X2.1 | length 192
  GBL w10: X2.1@11.81,401.57 11.81,448.82 23.62,460.63 39.37,460.63 49.21,470.47 U2.6@49.21,568.9
Reset: C27.1 ISP.5 U2.7 | length 914.9
  GL2 w10: v1(31.85,656.5) 41.85,666.5 421.85,666.5 v1(441.85,686.5)
  GBL w10: U2.7@29.53,568.9 29.53,654.17 v1(31.85,656.5) ; v1(441.85,686.5) 462.64,707.28 ISP.5@521.85,707.28 576.18,707.28 633.86,649.61 700.79,649.61 744.09,606.3 C27.1@744.09,555.12
SCLK: ISP.2 U2.49 | length 420.2
  GBL w10: U2.49@218.5,935.04 280.39,935.04 331.85,986.5 391.85,986.5 431.85,946.5 451.85,946.5 461.85,936.5 461.85,866.5 473.43,854.92 ISP.2@521.85,854.92
SDIO_CK: U2.53 µSD.5 | length 1880.5
  GL2 w10: v1(371.85,796.5) 401.85,796.5 431.85,826.5 750.13,826.5 1410.13,166.5 1559.68,166.5 1567.28,174.09 1584.25,174.09 1591.85,166.5 1591.85,86.5 1571.85,66.5 v1(1551.85,66.5)
  GBL w10: U2.53@218.5,856.3 292.05,856.3 351.85,796.5 v1(371.85,796.5) ; µSD.5@1490.16,67.32 1490.98,66.5 v1(1551.85,66.5)
SDIO_CMD: R10.2 U2.54 µSD.3 | length 1910.5
  GL2 w10: v1(341.85,746.5) 391.85,746.5 451.85,806.5 741.85,806.5 1411.85,136.5 v1(1551.85,136.5)
  GBL w10: U2.54@218.5,836.61 281.73,836.61 341.85,776.5 v1(341.85,746.5) ; R10.2@1362.2,112.6 1401.57,112.6 1442.91,153.94 µSD.3@1490.16,153.94 1544.41,153.94 1551.85,146.5 v1(1551.85,136.5)
SDIO_D0: R11.2 U2.39 µSD.7 | length 2401.3
  GL2 w10: v1(-8.15,906.5) -8.15,916.5 11.85,936.5 91.85,936.5 321.85,706.5 391.85,706.5 471.85,786.5 731.85,786.5 1410.13,108.21 1410.13,16.5 1450.13,-23.5 v1(1551.85,-23.5)
  GBL w10: U2.39@-29.53,1005.91 -29.53,927.87 v1(-8.15,906.5) ; R11.2@1362.2,-5.51 1411.42,-5.51 1425.2,-19.29 µSD.7@1490.16,-19.29 1494.37,-23.5 v1(1551.85,-23.5)
SDIO_D1: R12.2 U2.40 µSD.8 | length 2332.5
  GL2 w10: v1(51.85,906.5) 81.85,906.5 301.85,686.5 401.85,686.5 481.85,766.5 721.85,766.5 1391.85,96.5 1391.85,12.15 1467.51,-63.5 v1(1551.85,-63.5)
  GBL w10: U2.40@-9.84,1005.91 -9.84,968.19 v1(51.85,906.5) ; R12.2@1362.2,-64.57 1488.19,-64.57 1489.25,-63.5 v1(1551.85,-63.5)
SDIO_D2: R8.2 U2.51 µSD.1 | length 1802.5
  GL2 w10: v1(371.85,896.5) 401.85,866.5 766.7,866.5 1396.7,236.5 v1(1551.85,236.5)
  GBL w10: U2.51@218.5,895.67 371.02,895.67 v1(371.85,896.5) ; R8.2@1362.2,230.71 1421.26,230.71 1431.1,240.55 µSD.1@1490.16,240.55 1494.21,236.5 v1(1551.85,236.5)
SDIO_D3: R9.2 U2.52 µSD.2 | length 1815.4
  GL2 w10: v1(341.85,846.5) 758.42,846.5 1408.42,196.5 v1(1551.85,196.5)
  GBL w10: U2.52@218.5,875.98 312.36,875.98 v1(341.85,846.5) ; R9.2@1362.2,171.65 1421.26,171.65 1446.85,197.24 µSD.2@1490.16,197.24 1490.91,196.5 v1(1551.85,196.5)
SDIO_SW: U2.50 µSD.10 | length 2480.4
  GL2 w10: v1(341.85,946.5) 451.85,946.5 461.85,936.5 461.85,896.5 471.85,886.5 774.99,886.5 1288.42,373.06 1735.28,373.06 1841.85,266.5 v1@1841.85,-213.5
  GBL w10: U2.50@218.5,915.35 310.71,915.35 v1(341.85,946.5)
  GBL w15: v1(1840.55,-206.69) µSD.10@1840.55,-147.64
SPI2_CD: DISP.34 U2.35 | length 574.4
  GBL w10: DISP.34@-350,1250 -350,1294.65 -338.15,1306.5 -138.15,1306.5 -108.27,1276.61 U2.35@-108.27,1005.91
SPI2_MOSI: DISP.39 U2.36 | length 1130.8
  GBL w10: DISP.39@-850,1250 -850,1294.65 -808.15,1336.5 -128.15,1336.5 -88.58,1296.93 U2.36@-88.58,1005.91
SPI2_NSS: DISP.36 U2.33 | length 1121.3
  GBL w10: DISP.36@-550,1250 -586.5,1286.5 -778.15,1286.5 -788.15,1276.5 -788.15,1146.5 -738.15,1096.5 -178.15,1096.5 -147.64,1065.98 U2.33@-147.64,1005.91
SPI2_SCK: DISP.38 U2.34 | length 818.1
  GBL w10: DISP.38@-750,1250 -750,1168.35 -708.15,1126.5 -168.15,1126.5 -127.95,1086.3 U2.34@-127.95,1005.91
SWD: ISP.4 U2.46 | length 728.9
  GTL w10: v1(421.85,916.5) 421.85,956.5 v1(441.85,976.5)
  GBL w10: U2.46@108.27,1005.91 108.27,956.69 120.08,944.88 149.61,944.88 208.66,1003.94 415.35,1003.94 441.85,977.44 v1(441.85,976.5) ; v1(421.85,916.5) 431.85,906.5 431.85,786.5 461.85,756.5 ISP.4@521.85,756.5
SWO: ISP.6 U2.55 | length 391
  GBL w10: U2.55@218.5,816.93 268.79,816.93 311.85,773.87 311.85,736.5 390.28,658.07 ISP.6@521.85,658.07
TEL_CTS: RF-868P_LR.4 U2.15 | length 1163
  GBL w10: -480.32,-291.34 -480.32,389.8 -438.07,432.04 -170.32,432.04 -127.95,474.41 U2.15@-127.95,568.9
TEL_RTS: RF-868P_LR.5 U2.14 | length 1165.4
  GBL w10: -460.8,-291.34 -460.8,381.72 -429.99,412.53 -158.33,412.53 -108.27,462.6 U2.14@-108.27,568.9
TEL_RX: RF-868P_LR.3 U2.16 | length 1158.6
  GBL w10: -500,-291.34 -500,397.95 -446.22,451.73 -186.07,451.73 -147.64,490.16 U2.16@-147.64,568.9
TEL_TX: RF-868P_LR.2 U2.17 | length 1273.5
  GBL w10: -523.62,-291.34 -523.62,405.51 -456.69,472.44 -196.85,472.44 -169.29,500 -169.29,629.92 -179.13,639.76 U2.17@-218.5,639.76
TEL_VCC: C43.1 C45.1 RF-868P_LR.1 U4.4
  other v1: -1941.93,1267.72 -1882.87,1267.72
USB_5VEN: Q1.4 U2.41 | length 2111.7
  GBL w10: U2.41@9.84,1005.91 9.84,1124.49 86.14,1200.79 827.56,1200.79 1191.85,836.5 1621.85,836.5 1661.85,876.5 1751.85,876.5 1771.85,856.5 1791.69,856.5 Q1.4@1794.45,853.74
USB_D1_N: CMC1.2 R13.1 | length 63.1
  GBL w10: R13.1@1679.57,676.5 1714.8,676.5 1718.43,680.12 CMC1.2@1741.14,680.12
USB_D1_P: CMC1.3 R14.1 | length 63.1
  GBL w10: R14.1@1679.57,636.5 1714.8,636.5 1718.43,632.87 CMC1.3@1741.14,632.87
USB_D2_N: CMC1.1 D18.4 D18.6 USB.2 | length 327
  GBL w10: CMC1.1@1851.38,680.12 1874.09,680.12 1887.72,666.5 1919.53,666.5 1932.09,679.06 ; D18.4@1932.09,705.71 1932.09,679.06 ; D18.6@2006.89,705.71 2006.89,679.06 ; USB.2@2097.44,669.29 2065.87,669.29 2063.07,666.5 2019.45,666.5 2006.89,679.06 ; 1932.09,679.06 1944.65,666.5 1994.33,666.5 2006.89,679.06
USB_D2_P: CMC1.4 D18.1 D18.3 USB.3 | length 327
  GBL w10: CMC1.4@1851.38,632.87 1874.09,632.87 1887.72,646.5 1919.53,646.5 1932.09,633.94 ; D18.3@1932.09,607.28 1932.09,633.94 ; D18.1@2006.89,607.28 2006.89,633.94 ; USB.3@2097.44,643.7 2065.87,643.7 2063.07,646.5 2019.45,646.5 2006.89,633.94 ; 1932.09,633.94 1944.65,646.5 1994.33,646.5 2006.89,633.94
USB_D_N: R13.2 U2.44 | length 1857.2
  GBL w10: U2.44@68.58,1005.91 68.58,1061.51 138.96,1131.89 726.46,1131.89 1191.85,666.5 1621.26,666.5 1631.26,676.5 R13.2@1644.13,676.5
USB_D_P: R14.2 U2.45 | length 1824.3
  GBL w10: U2.45@88.58,1005.91 88.58,1053.23 147.56,1112.2 717.86,1112.2 1183.57,646.5 1621.26,646.5 1631.26,636.5 R14.2@1644.13,636.5
USB_ID: R7.1 U2.43 USB.4 | length 2615
  GBL w10: U2.43@49.21,1005.91 49.21,1103.86 106.77,1161.42 810.36,1161.42 1175.28,796.5 1591.85,796.5 1651.85,736.5 1751.85,736.5 1791.85,696.5 1791.85,616.5 1829.61,578.74 ; R7.1@1740.16,566.93 1817.8,566.93 1829.61,578.74 ; USB.4@2097.44,618.11 2064.57,618.11 2031.5,585.04 2031.5,566.14 2001.85,536.5 1871.85,536.5 1829.61,578.74
USB_VBUS: C37.2 D18.5 D19.2 Q1.1 U2.42 USB.1 | length 2527.2
  GBL w10: U2.42@29.53,1005.91 29.53,1114.17 96.46,1181.1 818.96,1181.1 1183.57,816.5 1621.85,816.5 1656.46,781.89 D19.2@1721.85,781.89 1757.24,781.89 1771.85,796.5 1861.85,796.5 1869.25,789.09 ; Q1.1@1869.25,759.25 1869.25,789.09 ; D18.5@1969.49,705.71 1969.49,734.13 ; USB.1@2097.44,694.88 2053.46,694.88 2041.85,706.5 2041.85,736.5 2031.85,746.5 1981.85,746.5 1969.49,734.13 ; 1869.25,789.09 1876.65,796.5 1921.85,796.5 1931.85,786.5 C37.2@1931.85,775 1931.85,756.5 1941.85,746.5 1957.13,746.5 1969.49,734.13
pads on no net: CAN1. CAN2. GPS. ISP. P_IN. Q1.3 Q2.3 RaceDAC. RF-868P_LR. U2.2 U2.10 U2.20 U2.21 U2.22 U2.23 U2.28 U2.56 U3.5 U4.5 U5.2 U5.5 U5.6 U5.7 U5.9 U5.10 U5.11 U5.12 U5.14 U5.16 U5.17 U5.18 U5.20 X1.2 X1.3

## Polygon pours and split planes (outlines as drawn)
TEL_VCC on GBL "GBL-No Net" (solid, pour order 14): -1686.02,1129.92 -1843.5,1129.92 -1882.87,1090.55 -2000.98,1090.55 -2020.67,1110.24 -2020.67,1307.09 -2000.98,1326.77 -1686.02,1326.77 -1646.65,1287.4 -1646.65,1169.29
GND on GBL "GBL-No Net" (solid, pour order 12): -2040.35,1307.09 -2060.04,1326.77 -2138.78,1326.77 -2178.15,1287.4 -2178.15,992.13 -2138.78,952.76 -2060.04,952.76 -2040.35,972.44
GND on GBL "GBL-No Net 1" (solid, pour order 10): 29.53,568.9 29.53,529.53 -37.4,462.6 -37.4,413.39 -204.72,246.06 -204.72,29.53 -175.2,0 356.3,0 385.83,29.53 385.83,492.13 356.3,521.65 248.03,521.65 169.29,600.39 31.5,600.39
GND on GBL "GBL-No Net" (solid, pour order 4): 2040.35,914.37 2060.04,894.68 2138.78,894.68 2178.15,934.06 2178.15,1229.33 2138.78,1268.7 2060.04,1268.7 2040.35,1249.02
5V_LED on GBL "GBL-No Net" (solid, pour order 2): 1686.02,1091.54 1843.5,1091.54 1882.87,1130.91 2000.98,1130.91 2020.67,1111.22 2020.67,914.37 2000.98,894.68 1686.02,894.68 1646.65,934.06 1646.65,1052.17
GND on GTL "Top Layer-No Net" (solid, remove dead copper, pour order 0): -2025,-600 -2025,-675 -2075,-725 -2075,-925 -2050,-950 -2000,-950 -1975,-975 -1975,-1025 -1950,-1050 -1875,-1050 -1850,-1025 -1850,-825 -1900,-775 -2025,-775 -2025,-725 -2000,-725 -1900,-625 -1925,-600
3V3 on GL2 "GL2-No Net" (solid, pour order 16): -464.57,944.88 -496.06,913.39 -496.06,102.36 -460.63,66.93 437.01,66.93 472.44,102.36 472.44,1007.87 433.07,1047.24 425.2,1039.37 -358.27,1039.37
GND on GL3 (split plane): 2268.38,2041 2268.38,-1017.37 1844.15,-1441.61 -1844.15,-1441.61 -2268.38,-1017.37 -2268.38,2041 -2080.37,2229.01 2080.37,2229.01

## Silkscreen, mask and mechanical layers (free items; w line width, h text height)
GTO:
  lines w10: -2283.46,0 0,0 2283.46,0 ; -2279.53,-570.87 -2240.16,-570.87 ; -1794.29,976.38 -1764.76,976.38 ; -1764.76,946.85 -1764.76,976.38 ; -1764.76,996.06 -1764.76,976.38 ; -1745.08,976.38 -1764.76,976.38 ; -78.74,0 78.74,0 ; 0,-1377.95 0,-1574.8 ; 0,-78.74 0,78.74 ; -2283.46,2047.24 -2086.61,2244.09 ; -2283.46,2047.24 -2283.46,-1023.62 -1850.39,-1456.69 1850.39,-1456.69 2283.46,-1023.62 2283.46,0 ; -2283.46,2047.24 -2086.61,2244.09 ; -2086.61,2244.09 2086.61,2244.09 ; 0,-1574.8 1968.5,-1574.8 ; 0,-1574.8 -1968.5,-1574.8 -3346.46,-196.85 -3346.46,2322.83 -3149.61,2519.69 3149.61,2519.69 3346.46,2322.83 3346.46,-196.85 1968.5,-1574.8 ; 0,-1574.8 1968.5,-1574.8 ; 2086.61,2244.09 2283.46,2047.24 ; 2086.61,2244.09 2165.35,2165.35 2283.46,2047.24 ; 2283.46,0 2283.46,2047.24